# Allegro board 8880F5-0825_4.brd (continued)
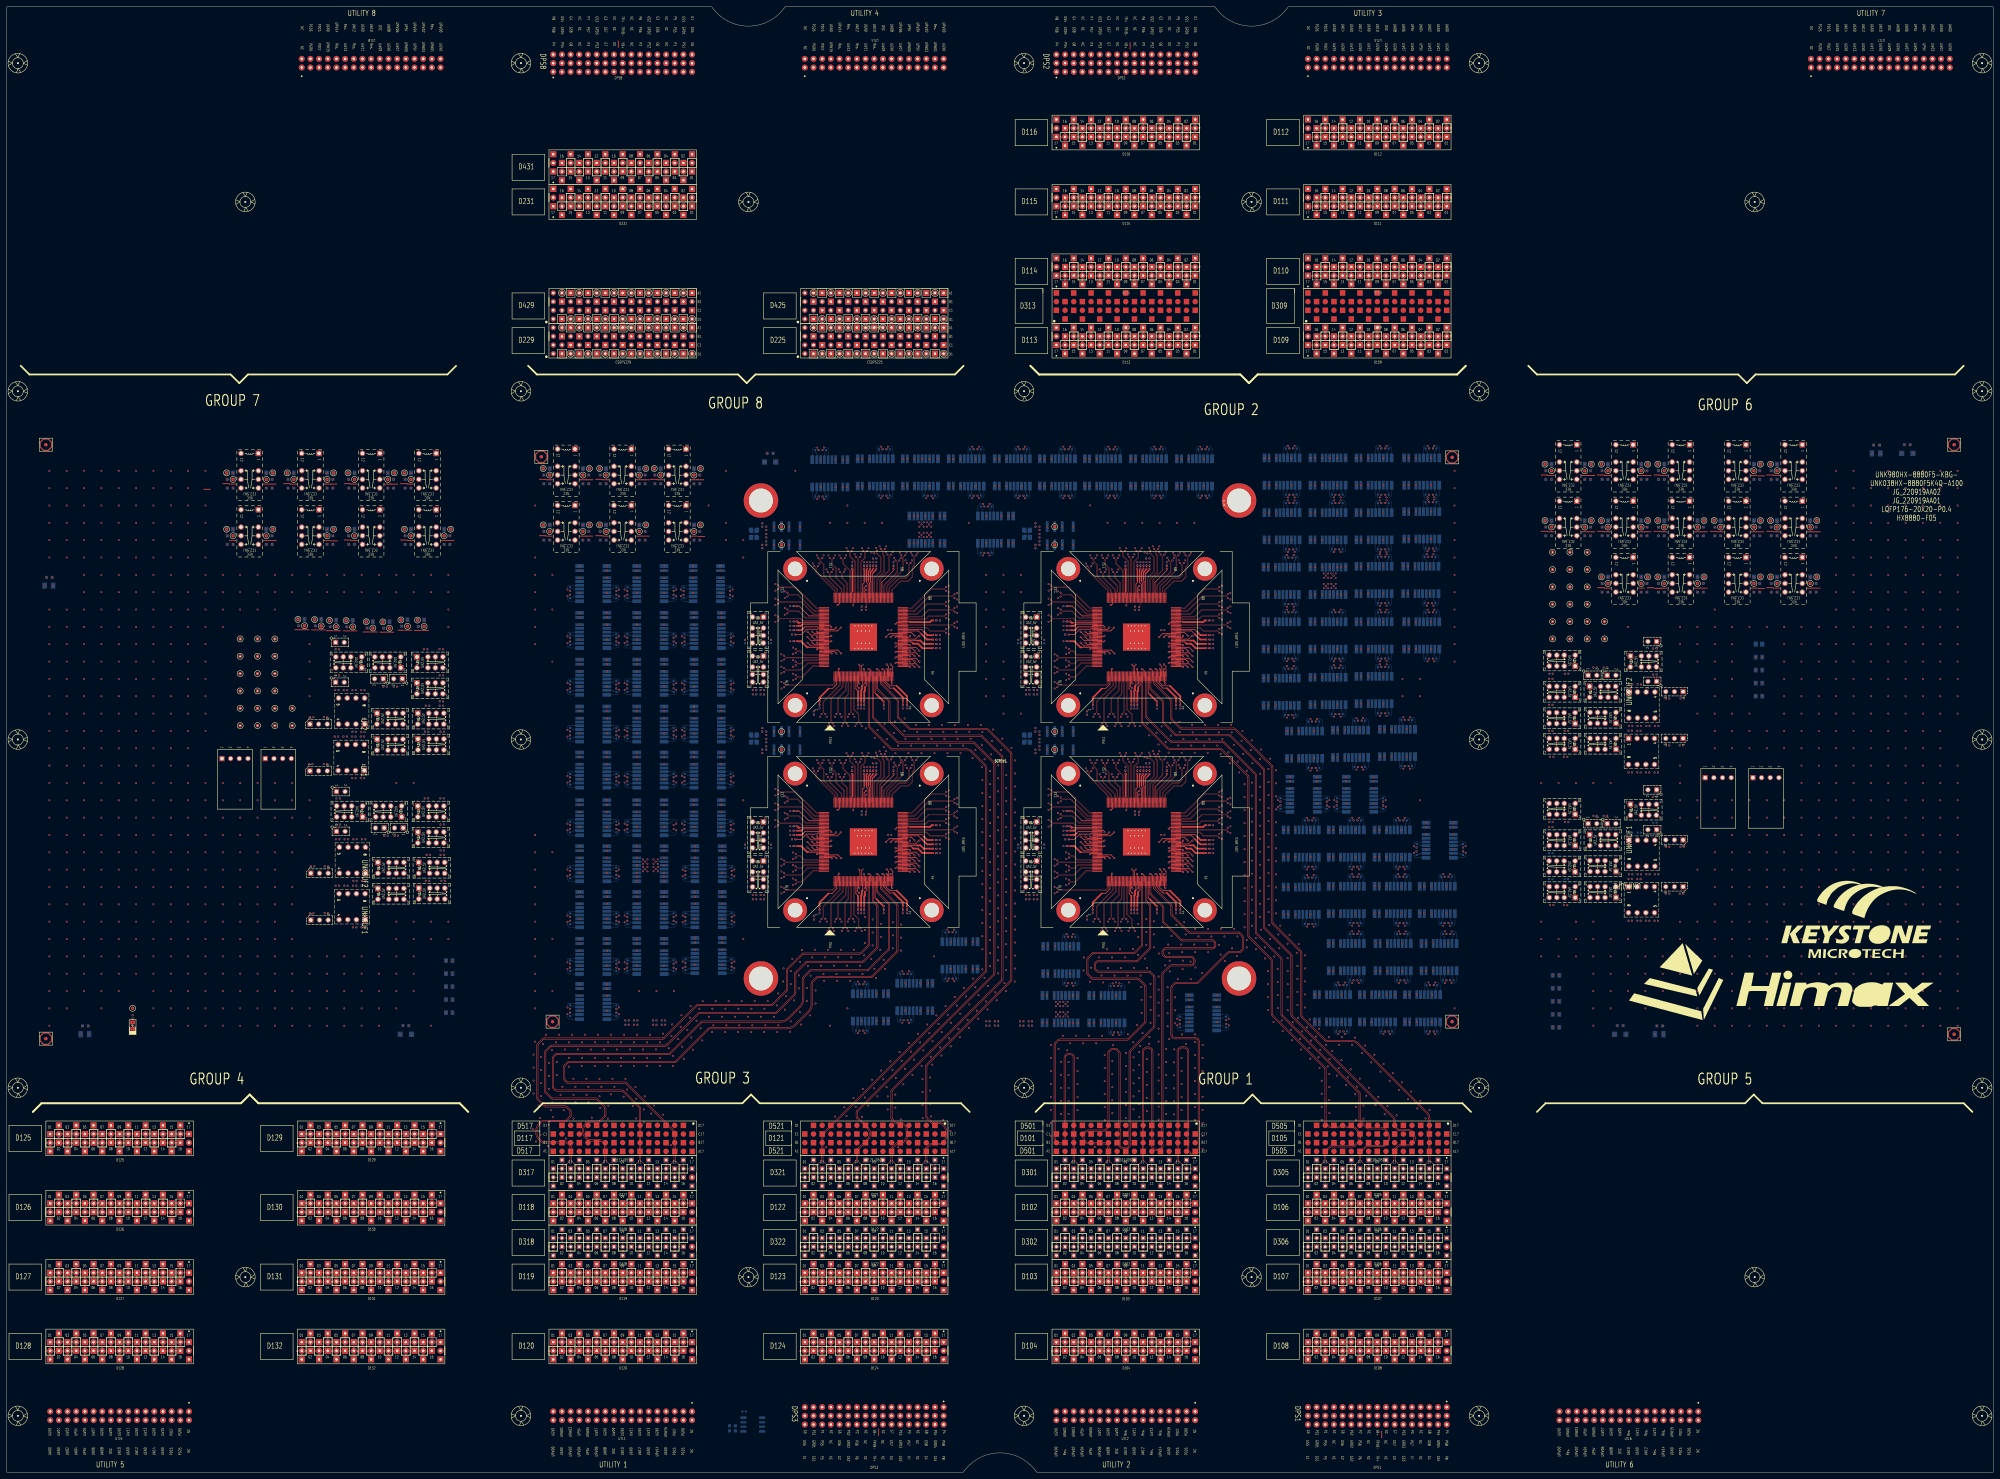
[diagram p0: board, top side]
## Routing (per net, layer and track width the routed paths; a pad name or vN(x,y) marks a point on that pad's centre or on a via; arc(x,y) is an arc through that point) (continued)
  vias: v1(11.42,96.42) v1(11.42,76.1) v1(11.42,55.78) v1(11.42,35.46) v1(12.45,293.34) v1(12.45,288.26) v1(12.45,283.18) v1(12.45,278.1) v1(12.45,273.02) v1(12.45,267.94) v1(12.45,252.7) v1(12.45,247.62) v1(12.45,242.54) v1(12.45,237.46) v1(12.45,232.38) v1(12.45,227.3) v1(12.45,222.22) v1(12.45,217.14) v1(12.45,212.06) v1(12.45,206.98) v1(12.45,201.9) v1(12.45,196.82) v1(12.45,191.74) v1(12.45,186.66) v1(12.45,181.58) v1(12.45,176.5) v1(12.45,171.42) v1(12.45,166.34) v1(12.45,161.26) v1(12.45,156.18) v1(12.45,151.1) v1(12.45,146.02) v1(12.45,140.94) v1(12.45,135.86) v1(12.45,130.78) v1(12.69,97.69) v1(12.69,95.15) v1(12.69,77.37) v1(12.69,74.83) v1(12.69,57.05) v1(12.69,54.51) v1(12.69,36.73) v1(12.69,34.19) v1(13.98,99.16) v1(13.96,96.42) v1(13.98,78.84) v1(13.96,76.1) v1(13.98,58.52) v1(13.96,55.78) v1(13.98,38.2) v1(13.96,35.46) v1(15.25,100.43) v1(15.25,97.89) v1(15.25,80.11) v1(15.25,77.57) v1(15.25,59.79) v1(15.25,57.25) v1(15.25,39.47) v1(15.25,36.93) v1(16.52,99.16) v1(16.5,96.42) v1(16.52,78.84) v1(16.5,76.1) v1(16.52,58.52) v1(16.5,55.78) v1(16.52,38.2) v1(16.5,35.46) v1(17.53,293.34) v1(17.53,288.26) v1(17.53,283.18) v1(17.53,278.1) v1(17.53,273.02) v1(17.53,267.94) v1(17.53,252.7) v1(17.53,247.62) v1(17.53,242.54) v1(17.53,237.46) v1(17.53,232.38) v1(17.53,227.3) v1(17.53,222.22) v1(17.53,217.14) v1(17.53,212.06) v1(17.53,206.98) v1(17.53,201.9) v1(17.53,196.82) v1(17.53,191.74) v1(17.53,186.66) v1(17.53,181.58) v1(17.53,176.5) v1(17.53,171.42) v1(17.53,166.34) v1(17.53,161.26) v1(17.53,156.18) v1(17.53,151.1) v1(17.53,146.02) v1(17.53,140.94) v1(17.53,135.86) v1(17.77,97.69) v1(17.77,95.15) v1(17.77,77.37) v1(17.77,74.83) v1(17.77,57.05) v1(17.77,54.51) v1(17.77,36.73) v1(17.77,34.19) v1(19.06,99.16) v1(19.04,96.42) v1(19.06,78.84) v1(19.04,76.1) v1(19.06,58.52) v1(19.04,55.78) v1(19.06,38.2) v1(19.04,35.46) v1(20.33,100.43) v1(20.33,97.89) v1(20.33,80.11) v1(20.33,77.57) v1(20.33,59.79) v1(20.33,57.25) v1(20.33,39.47) v1(20.33,36.93) v1(21.6,99.16) v1(21.58,96.42) v1(21.6,78.84) v1(21.58,76.1) v1(21.6,58.52) v1(21.58,55.78) v1(21.6,38.2) v1(21.58,35.46) v1(22.61,293.34) v1(22.61,288.26) v1(22.61,283.18) v1(22.61,278.1) v1(22.61,273.02) v1(22.61,267.94) v1(22.61,262.86) v1(22.61,257.78) v1(22.61,252.7) v1(22.61,247.62) v1(22.61,242.54) v1(22.61,237.46) v1(22.61,232.38) v1(22.61,227.3) v1(22.61,222.22) v1(22.61,217.14) v1(22.61,212.06) v1(22.61,206.98) v1(22.61,201.9) v1(22.61,196.82) v1(22.61,191.74) v1(22.61,186.66) v1(22.61,181.58) v1(22.61,176.5) v1(22.61,171.42) v1(22.61,166.34) v1(22.61,161.26) v1(22.61,156.18) v1(22.61,151.1) v1(22.61,146.02) v1(22.61,140.94) v1(22.85,97.69) v1(22.85,95.15) v1(22.85,77.37) v1(22.85,74.83) v1(22.85,57.05) v1(22.85,54.51) v1(22.85,36.73) v1(22.85,34.19) v1(24.14,99.16) v1(24.12,96.42) v1(24.14,78.84) v1(24.12,76.1) v1(24.14,58.52) v1(24.12,55.78) v1(24.14,38.2) v1(24.12,35.46) v1(25.41,100.43) v1(25.41,97.89) v1(25.41,80.11) v1(25.41,77.57) v1(25.41,59.79) v1(25.41,57.25) v1(25.41,39.47) v1(25.41,36.93) v1(26.68,99.16) v1(26.66,96.42) v1(26.68,78.84) v1(26.66,76.1) v1(26.68,58.52) v1(26.66,55.78) v1(26.68,38.2) v1(26.66,35.46) v1(27.69,293.34) v1(27.69,288.26) v1(27.69,283.18) v1(27.69,278.1) v1(27.69,273.02) v1(27.69,267.94) v1(27.69,262.86) v1(27.69,257.78) v1(27.69,252.7) v1(27.69,247.62) v1(27.69,242.54) v1(27.69,237.46) v1(27.69,232.38) v1(27.69,227.3) v1(27.69,222.22) v1(27.69,217.14) v1(27.69,212.06) v1(27.69,206.98) v1(27.69,201.9) v1(27.69,196.82) v1(27.69,191.74) v1(27.69,186.66) v1(27.69,181.58) v1(27.69,176.5) v1(27.69,171.42) v1(27.69,166.34) v1(27.69,161.26) v1(27.69,156.18) v1(27.69,151.1) v1(27.69,146.02) v1(27.69,140.94) v1(27.69,135.86) v1(27.93,97.69) v1(27.93,95.15) v1(27.93,77.37) v1(27.93,74.83) v1(27.93,57.05) v1(27.93,54.51) v1(27.93,36.73) v1(27.93,34.19) v1(29.22,99.16) v1(29.2,96.42) v1(29.22,78.84) v1(29.2,76.1) v1(29.22,58.52) v1(29.2,55.78) v1(29.22,38.2) v1(29.2,35.46) v1(30.49,100.43) v1(30.49,97.89) v1(30.49,80.11) v1(30.49,77.57) v1(30.49,59.79) v1(30.49,57.25) v1(30.49,39.47) v1(30.49,36.93) v1(31.76,99.16) v1(31.74,96.42) v1(31.76,78.84) v1(31.74,76.1) v1(31.76,58.52) v1(31.74,55.78) v1(31.76,38.2) v1(31.74,35.46) v1(32.77,293.34) v1(32.77,288.26) v1(32.77,283.18) v1(32.77,278.1) v1(32.77,273.02) v1(32.77,267.94) v1(32.77,262.86) v1(32.77,257.78) v1(32.77,252.7) v1(32.77,247.62) v1(32.77,242.54) v1(32.77,237.46) v1(32.77,232.38) v1(32.77,227.3) v1(32.77,222.22) v1(32.77,217.14) v1(32.77,212.06) v1(32.77,206.98) v1(32.77,201.9) v1(32.77,196.82) v1(32.77,191.74) v1(32.77,186.66) v1(32.77,181.58) v1(32.77,176.5) v1(32.77,171.42) v1(32.77,166.34) v1(32.77,161.26) v1(32.77,156.18) v1(32.77,151.1) v1(32.77,146.02) v1(32.77,140.94) v1(33.01,97.69) v1(33.01,95.15) v1(33.01,77.37) v1(33.01,74.83) v1(33.01,57.05) v1(33.01,54.51) v1(33.01,36.73) v1(33.01,34.19) v1(34.3,99.16) v1(34.28,96.42) v1(34.3,78.84) v1(34.28,76.1) v1(34.3,58.52) v1(34.28,55.78) v1(34.3,38.2) v1(34.28,35.46) v1(35.57,100.43) v1(35.57,97.89) v1(35.57,80.11) v1(35.57,77.57) v1(35.57,59.79) v1(35.57,57.25) v1(35.57,39.47) v1(35.57,36.93) v1(36.84,99.16) v1(36.82,96.42) v1(36.84,78.84) v1(36.82,76.1) v1(36.84,58.52) v1(36.82,55.78) v1(36.84,38.2) v1(36.82,35.46) v1(37.85,293.34) v1(37.85,288.26) v1(37.85,283.18) v1(37.85,278.1) v1(37.85,273.02) v1(37.85,267.94) v1(37.85,262.86) v1(37.85,257.78) v1(37.85,252.7) v1(37.85,247.62) v1(37.85,242.54) v1(37.85,237.46) v1(37.85,232.38) v1(37.85,227.3) v1(37.85,222.22) v1(37.85,217.14) v1(37.85,212.06) v1(37.85,206.98) v1(37.85,201.9) v1(37.85,196.82) v1(37.85,191.74) v1(37.85,186.66) v1(37.85,181.58) v1(37.85,176.5) v1(37.85,171.42) v1(37.85,166.34) v1(37.85,161.26) v1(37.85,156.18) v1(37.85,151.1) v1(37.85,146.02) v1(38.09,97.69) v1(38.09,95.15) v1(38.09,77.37) v1(38.09,74.83) v1(38.09,57.05) v1(38.09,54.51) v1(38.09,36.73) v1(38.09,34.19) v1(39.38,99.16) v1(39.36,96.42) v1(39.38,78.84) v1(39.36,76.1) v1(39.38,58.52) v1(39.36,55.78) v1(39.38,38.2) v1(39.36,35.46) v1(40.65,100.43) v1(40.65,97.89) v1(40.65,80.11) v1(40.65,77.57) v1(40.65,59.79) v1(40.65,57.25) v1(40.65,39.47) v1(40.65,36.93) v1(41.92,99.16) v1(41.9,96.42) v1(41.92,78.84) v1(41.9,76.1) v1(41.92,58.52) v1(41.9,55.78) v1(41.92,38.2) v1(41.9,35.46) v1(42.93,293.34) v1(42.93,288.26) v1(42.93,283.18) v1(42.93,278.1) v1(42.93,273.02) v1(42.93,267.94) v1(42.93,262.86) v1(42.93,257.78) v1(42.93,252.7) v1(42.93,247.62) v1(42.93,242.54) v1(42.93,237.46) v1(42.93,232.38) v1(42.93,227.3) v1(42.93,222.22) v1(42.93,217.14) v1(42.93,212.06) v1(42.93,206.98) v1(42.93,201.9) v1(42.93,196.82) v1(42.93,191.74) v1(42.93,186.66) v1(42.93,181.58) v1(42.93,176.5) v1(42.93,171.42) v1(42.93,166.34) v1(42.93,161.26) v1(42.93,156.18) v1(42.93,151.1) v1(42.93,146.02) v1(42.93,140.94) v1(42.93,135.86) v1(42.93,130.78) v1(43.17,97.69) v1(43.17,95.15) v1(43.17,77.37) v1(43.17,74.83) v1(43.17,57.05) v1(43.17,54.51) v1(43.17,36.73) v1(43.17,34.19) v1(44.46,99.16) v1(44.44,96.42) v1(44.46,78.84) v1(44.44,76.1) v1(44.46,58.52) v1(44.44,55.78) v1(44.46,38.2) v1(44.44,35.46) v1(45.73,100.43) v1(45.73,97.89) v1(45.73,80.11) v1(45.73,77.57) v1(45.73,59.79) v1(45.73,57.25) v1(45.73,39.47) v1(45.73,36.93) v1(47,99.16) v1(46.98,96.42) v1(47,78.84) v1(46.98,76.1) v1(47,58.52) v1(46.98,55.78) v1(47,38.2) v1(46.98,35.46) v1(48.01,293.34) v1(48.01,288.26) v1(48.01,283.18) v1(48.01,278.1) v1(48.01,273.02) v1(48.01,267.94) v1(48.01,262.86) v1(48.01,257.78) v1(48.01,252.7) v1(48.01,247.62) v1(48.01,242.54) v1(48.01,237.46) v1(48.01,232.38) v1(48.01,227.3) v1(48.01,222.22) v1(48.01,217.14) v1(48.01,212.06) v1(48.01,206.98) v1(48.01,201.9) v1(48.01,196.82) v1(48.01,191.74) v1(48.01,186.66) v1(48.01,181.58) v1(48.01,176.5) v1(48.01,171.42) v1(48.01,166.34) v1(48.01,161.26) v1(48.01,156.18) v1(48.01,151.1) v1(48.01,146.02) v1(48.01,140.94) v1(48.01,135.86) v1(48.01,130.78) v1(48.25,97.69) v1(48.25,95.15) v1(48.25,77.37) v1(48.25,74.83) v1(48.25,57.05) v1(48.25,54.51) v1(48.25,36.73) v1(48.25,34.19) v1(49.54,99.16) v1(49.52,96.42) v1(49.54,78.84) v1(49.52,76.1) v1(49.54,58.52) v1(49.52,55.78) v1(49.54,38.2) v1(49.52,35.46) v1(50.81,100.43) v1(50.81,97.89) v1(50.81,80.11) v1(50.81,77.57) v1(50.81,59.79) v1(50.81,57.25) v1(50.81,39.47) v1(50.81,36.93) v1(52.08,99.16) v1(52.08,78.84) v1(52.08,58.52) v1(52.08,38.2) v1(53.09,293.34) v1(53.09,288.26) v1(53.09,283.18) v1(53.09,278.1) v1(53.09,273.02) v1(53.09,267.94) v1(53.09,262.86) v1(53.09,257.78) v1(53.09,252.7) v1(53.09,247.62) v1(53.09,242.54) v1(53.09,237.46) v1(53.09,232.38) v1(53.09,227.3) v1(53.09,222.22) v1(53.09,217.14) v1(53.09,212.06) v1(53.09,206.98) v1(53.09,201.9) v1(53.09,196.82) v1(53.09,191.74) v1(53.09,186.66) v1(53.09,181.58) v1(53.09,176.5) v1(53.09,171.42) v1(53.09,166.34) v1(53.09,161.26) v1(53.09,156.18) v1(53.09,151.1) v1(53.09,146.02) v1(53.09,140.94) v1(53.09,135.86) v1(53.09,130.78) v1(58.17,293.34) v1(58.17,283.18) v1(58.17,278.1) v1(58.17,273.02) v1(58.17,267.94) v1(58.17,262.86) v1(58.17,257.78) v1(58.17,252.7) v1(58.17,247.62) v1(58.17,242.54) v1(58.17,237.46) v1(58.17,232.38) v1(58.17,227.3) v1(58.17,222.22) v1(58.17,217.14) v1(58.17,201.9) v1(58.17,196.82) v1(58.17,191.74) v1(58.17,186.66) v1(58.17,181.58) v1(58.17,176.5) v1(58.17,171.42) v1(58.17,166.34) v1(58.17,161.26) v1(58.17,156.18) v1(58.17,151.1) v1(58.17,146.02) v1(58.17,140.94) v1(58.17,135.86) v1(58.17,130.78) v1(63.25,262.86) v1(63.25,257.78) v1(63.25,252.7) v1(63.25,247.62) v1(63.25,201.9) v1(63.25,196.82) v1(63.25,191.74) v1(63.25,186.66) v1(63.25,181.58) v1(63.25,176.5) v1(63.25,171.42) v1(63.25,166.34) v1(63.25,161.26) v1(63.25,156.18) v1(63.25,151.1) v1(63.25,146.02) v1(63.25,140.94) v1(63.25,135.86) v1(63.25,130.78) v1(64.35,292.74) v1(64.35,276.23) v1(64.56,290.83) v1(64.56,288.29) v1(64.56,274.32) v1(64.56,271.78) v1(68.33,262.86) v1(68.33,257.78) v1(68.33,252.7) v1(68.33,201.9) v1(68.33,196.82) v1(68.33,191.74) v1(68.33,186.66) v1(68.33,181.58) v1(68.33,176.5) v1(68.33,171.42) v1(68.33,166.34) v1(68.33,161.26) v1(68.33,156.18) v1(68.33,151.1) v1(68.33,146.02) v1(68.33,140.94) v1(68.33,135.86) v1(68.33,130.78) v1(73.41,262.86) v1(73.41,257.78) v1(73.41,252.7) v1(73.41,201.9) v1(73.41,196.82) v1(73.41,191.74) v1(73.41,186.66) v1(73.41,181.58) v1(73.41,176.5) v1(73.41,171.42) v1(73.41,166.34) v1(73.41,161.26) v1(73.41,156.18) v1(73.41,151.1) v1(73.41,146.02) v1(73.41,140.94) v1(73.41,135.86) v1(73.41,130.78) v1(77.68,290.83) v1(77.68,288.29) v1(77.68,274.32) v1(77.68,271.78) v1(77.89,292.74) v1(77.89,276.23) v1(78.49,262.86) v1(78.49,257.78) v1(78.49,252.7) v1(78.49,201.9) v1(78.49,196.82) v1(78.49,191.74) v1(78.49,186.66) v1(78.49,181.58) v1(78.49,176.5) v1(78.49,171.42) v1(78.49,166.34) v1(78.49,161.26) v1(78.49,156.18) v1(78.49,151.1) v1(78.49,146.02) v1(78.49,140.94) v1(78.49,135.86) v1(78.49,130.78) v1(82.13,292.74) v1(82.34,290.83) v1(82.34,288.29) v1(83.57,262.86) v1(83.57,257.78) v1(83.57,201.9) v1(83.57,196.82) v1(83.57,191.74) v1(83.57,186.66) v1(83.57,181.58) v1(83.57,171.42) v1(83.57,166.34) v1(83.57,156.18) v1(83.57,151.1) v1(83.57,146.02) v1(83.57,140.94) v1(83.57,135.86) v1(83.57,130.78) v1(85.08,96.42) v1(85.08,76.1) v1(85.08,55.78) v1(85.08,35.46) v1(85.24,249.81) v1(85.47,247.96) v1(86.35,97.69) v1(86.35,95.15) v1(86.35,77.37) v1(86.35,74.83) v1(86.35,57.05) v1(86.35,54.51) v1(86.35,36.73) v1(86.35,34.19) v1(87.64,99.16) v1(87.62,96.42) v1(87.64,78.84) v1(87.62,76.1) v1(87.64,58.52) v1(87.62,55.78) v1(87.64,38.2) v1(87.62,35.46) v1(88.65,262.86) v1(88.65,257.78) v1(88.65,242.54) v1(88.65,237.46) v1(88.65,232.38) v1(88.65,227.3) v1(88.65,196.82) v1(88.65,191.74) v1(88.65,186.66) v1(88.65,151.1) v1(88.65,146.02) v1(88.65,140.94) v1(88.65,135.86) v1(88.65,130.78) v1(88.91,100.43) v1(88.91,97.89) v1(88.91,80.11) v1(88.91,77.57) v1(88.91,59.79) v1(88.91,57.25) v1(88.91,39.47) v1(88.91,36.93) v1(90.11,249.76) v1(90.18,99.16) v1(90.16,96.42) v1(90.18,78.84) v1(90.16,76.1) v1(90.18,58.52) v1(90.16,55.78) v1(90.18,38.2) v1(90.16,35.46) v1(90.34,247.9) v1(91.43,97.69) v1(91.43,95.15) v1(91.43,77.37) v1(91.43,74.83) v1(91.43,57.05) v1(91.43,54.51) v1(91.43,36.73) v1(91.43,34.19) v1(92.72,99.16) v1(92.7,96.42) v1(92.72,78.84) v1(92.7,76.1) v1(92.72,58.52) v1(92.7,55.78) v1(92.72,38.2) v1(92.7,35.46) v1(92.83,221.18) v1(92.83,207.46) v1(93.09,177.49) v1(93.09,163.77) v1(93.73,262.86) v1(93.73,257.78) v1(93.73,151.1) v1(93.73,146.02) v1(93.73,140.94) v1(93.73,135.86) v1(93.73,130.78) v1(93.99,100.43) v1(93.99,97.89) v1(93.99,80.11) v1(93.99,77.57) v1(93.99,59.79) v1(93.99,57.25) v1(93.99,39.47) v1(93.99,36.93) v1(94.49,249.52) v1(94.72,247.66) v1(95.26,99.16) v1(95.24,96.42) v1(95.26,78.84) v1(95.24,76.1) v1(95.26,58.52) v1(95.24,55.78) v1(95.26,38.2) v1(95.24,35.46) v1(95.46,290.83) v1(95.46,288.29) v1(95.46,274.32) v1(95.46,271.78) v1(95.67,292.74) v1(95.67,276.23) v1(96.51,97.69) v1(96.51,95.15) v1(96.51,77.37) v1(96.51,74.83) v1(96.51,57.05) v1(96.51,54.51) v1(96.51,36.73) v1(96.51,34.19) v1(97.8,99.16) v1(97.78,96.42) v1(97.8,78.84) v1(97.78,76.1) v1(97.8,58.52) v1(97.78,55.78) v1(97.8,38.2) v1(97.78,35.46) v1(98.81,262.86) v1(98.81,257.78) v1(98.81,151.1) v1(98.81,146.02) v1(98.81,140.94) v1(98.81,135.86) v1(98.81,130.78) v1(99.07,100.43) v1(99.07,97.89) v1(99.07,80.11) v1(99.07,77.57) v1(99.07,59.79) v1(99.07,57.25) v1(99.07,39.47) v1(99.07,36.93) v1(99.36,249.46) v1(99.59,247.61) v1(99.91,292.74) v1(99.91,276.23) v1(100.12,290.83) v1(100.12,288.29) v1(100.12,274.32) v1(100.12,271.78) v1(100.34,99.16) v1(100.32,96.42) v1(100.34,78.84) v1(100.32,76.1) v1(100.34,58.52) v1(100.32,55.78) v1(100.34,38.2) v1(100.32,35.46) v1(101.59,97.69) v1(101.59,95.15) v1(101.59,77.37) v1(101.59,74.83) v1(101.59,57.05) v1(101.59,54.51) v1(101.59,36.73) v1(101.59,34.19) v1(102.88,99.16) v1(102.86,96.42) v1(102.88,78.84) v1(102.86,76.1) v1(102.88,58.52) v1(102.86,55.78) v1(102.88,38.2) v1(102.86,35.46) v1(103.64,215.5) v1(103.74,229.1) v1(103.89,262.86) v1(103.89,257.78) v1(103.89,171.81) v1(103.89,151.1) v1(103.89,146.02) v1(103.89,140.94) v1(103.89,135.86) v1(103.89,130.78) v1(103.99,185.42) v1(104.15,100.43) v1(104.15,97.89) v1(104.15,80.11) v1(104.15,77.57) v1(104.15,59.79) v1(104.15,57.25) v1(104.15,39.47) v1(104.15,36.93) v1(105.28,249.19) v1(105.42,99.16) v1(105.4,96.42) v1(105.42,78.84) v1(105.4,76.1) v1(105.42,58.52) v1(105.4,55.78) v1(105.42,38.2) v1(105.4,35.46) v1(105.48,247.28) v1(106.67,97.69) v1(106.67,95.15) v1(106.67,77.37) v1(106.67,74.83) v1(106.67,57.05) v1(106.67,54.51) v1(106.67,36.73) v1(106.67,34.19) v1(107.96,99.16) v1(107.94,96.42) v1(107.96,78.84) v1(107.94,76.1) v1(107.96,58.52) v1(107.94,55.78) v1(107.96,38.2) v1(107.94,35.46) v1(108.97,262.86) v1(108.97,257.78) v1(108.97,151.1) v1(108.97,146.02) v1(108.97,140.94) v1(108.97,135.86) v1(108.97,130.78) v1(109.23,100.43) v1(109.23,97.89) v1(109.23,80.11) v1(109.23,77.57) v1(109.23,59.79) v1(109.23,57.25) v1(109.23,39.47) v1(109.23,36.93) v1(110.15,249.13) v1(110.35,247.23) v1(110.5,99.16) v1(110.48,96.42) v1(110.5,78.84) v1(110.48,76.1) v1(110.5,58.52) v1(110.48,55.78) v1(110.5,38.2) v1(110.48,35.46) v1(111.24,230.12) v1(111.5,186.44) v1(111.75,97.69) v1(111.75,95.15) v1(111.75,77.37) v1(111.75,74.83) v1(111.75,57.05) v1(111.75,54.51) v1(111.75,36.73) v1(111.75,34.19) v1(113.04,99.16) v1(113.02,96.42) v1(113.04,78.84) v1(113.02,76.1) v1(113.04,58.52) v1(113.02,55.78) v1(113.04,38.2) v1(113.02,35.46) v1(113.24,290.83) v1(113.24,288.29) v1(113.45,292.74) v1(114.05,262.86) v1(114.05,257.78) v1(114.05,201.9) v1(114.05,161.26) v1(114.05,156.18) v1(114.05,151.1) v1(114.05,146.02) v1(114.05,140.94) v1(114.05,135.86) v1(114.31,100.43) v1(114.31,97.89) v1(114.31,80.11) v1(114.31,77.57) v1(114.31,59.79) v1(114.31,57.25) v1(114.31,39.47) v1(114.31,36.93) v1(115.4,249.66) v1(115.58,99.16) v1(115.56,96.42) v1(115.58,78.84) v1(115.56,76.1) v1(115.58,58.52) v1(115.56,55.78) v1(115.58,38.2) v1(115.56,35.46) v1(115.63,247.8) v1(116.42,292.74) v1(116.42,276.23) v1(116.63,290.83) v1(116.63,288.29) v1(116.63,274.32) v1(116.63,271.78) v1(116.83,97.69) v1(116.83,95.15) v1(116.83,77.37) v1(116.83,74.83) v1(116.83,57.05) v1(116.83,54.51) v1(116.83,36.73) v1(116.83,34.19) v1(118.12,99.16) v1(118.1,96.42) v1(118.12,78.84) v1(118.1,76.1) v1(118.12,58.52) v1(118.1,55.78) v1(118.12,38.2) v1(118.1,35.46) v1(119.13,262.86) v1(119.13,257.78) v1(119.13,201.9) v1(119.13,161.26) v1(119.13,156.18) v1(119.13,151.1) v1(119.13,146.02) v1(119.13,140.94) v1(119.39,100.43) v1(119.39,97.89) v1(119.39,80.11) v1(119.39,77.57) v1(119.39,59.79) v1(119.39,57.25) v1(119.39,39.47) v1(119.39,36.93) v1(120.26,249.61) v1(120.49,247.75) v1(120.66,99.16) v1(120.64,96.42) v1(120.66,78.84) v1(120.64,76.1) v1(120.66,58.52) v1(120.64,55.78) v1(120.66,38.2) v1(120.64,35.46) v1(121.91,97.69) v1(121.91,95.15) v1(121.91,77.37) v1(121.91,74.83) v1(121.91,57.05) v1(121.91,54.51) v1(121.91,36.73) v1(121.91,34.19) v1(123.2,99.16) v1(123.18,96.42) v1(123.2,78.84) v1(123.18,76.1) v1(123.2,58.52) v1(123.18,55.78) v1(123.2,38.2) v1(123.18,35.46) v1(124.21,262.86) v1(124.21,257.78) v1(124.21,161.26) v1(124.21,156.18) v1(124.21,130.78) v1(124.47,100.43) v1(124.47,97.89) v1(124.47,80.11) v1(124.47,77.57) v1(124.47,59.79) v1(124.47,57.25) v1(124.47,39.47) v1(124.47,36.93) v1(125.74,99.16) v1(125.74,78.84) v1(125.74,58.52) v1(125.74,38.2) v1(126.7,241.1) v1(126.95,197.41) v1(128.57,142.24) v1(129.29,262.86) v1(129.29,257.78) v1(129.29,252.7) v1(129.29,247.62) v1(129.29,161.26) v1(129.29,156.18) v1(129.75,274.32) v1(129.75,271.78) v1(129.96,276.23) v1(130.51,149.86) v1(130.51,146.05) v1(130.51,138.43) v1(130.51,134.62) v1(153.98,100.56) v1(154.24,122.34) v1(154.24,118.53) v1(154.24,114.72) v1(154.24,110.91) v1(154.64,126.13) v1(154.69,283.18) v1(154.69,267.94) v1(154.69,262.86) v1(154.69,257.78) v1(154.69,252.7) v1(154.69,247.62) v1(154.69,242.54) v1(154.69,186.66) v1(154.69,181.58) v1(154.69,176.5) v1(154.69,171.42) v1(154.69,166.34) v1(154.69,161.26) v1(154.69,156.18) v1(154.69,151.1) v1(154.69,146.02) v1(154.69,140.94) v1(154.69,135.86) v1(154.95,96.87) v1(155.74,107.41) v1(156.07,103.75) v1(156.28,98.9) v1(156.46,121.61) v1(156.46,117.8) v1(156.46,113.99) v1(156.46,110.18) v1(157.06,294) v1(157.06,277.5) v1(157.03,125.37) v1(157.27,292.1) v1(157.27,289.56) v1(157.27,275.59) v1(157.27,273.05) v1(157.87,128.15) v1(158.51,95.5) v1(158.76,119.92) v1(158.76,116.11) v1(158.76,112.3) v1(158.78,101.78) v1(158.74,76.1) v1(158.74,55.78) v1(158.74,35.46) v1(158.81,86.36) v1(158.81,66.04) v1(159.29,106.02) v1(159.61,123.63) v1(159.77,262.86) v1(159.77,252.7) v1(159.77,237.46) v1(159.77,181.58) v1(159.77,156.18) v1(159.77,140.94) v1(159.75,108.25) v1(159.87,104) v1(160.02,87.57) v1(160.02,85.15) v1(160.01,77.37) v1(160.01,74.83) v1(160.02,67.25) v1(160.02,64.83) v1(160.01,57.05) v1(160.01,54.51) v1(160.01,36.73) v1(160.01,34.19) v1(160.8,125.92) v1(161.03,120.15) v1(161.03,116.34) v1(161.23,86.36) v1(161.23,66.04) v1(161.35,88.9) v1(161.3,78.84) v1(161.28,76.1) v1(161.35,68.58) v1(161.3,58.52) v1(161.28,55.78) v1(161.3,38.2) v1(161.28,35.46) v1(161.68,128.15) v1(162.14,110.55) v1(162.56,90.11) v1(162.56,87.69) v1(162.57,80.11) v1(162.57,77.57) v1(162.56,69.79) v1(162.56,67.37) v1(162.57,59.79) v1(162.57,57.25) v1(162.57,39.47) v1(162.57,36.93) v1(162.68,112.9) v1(163.1,106.02) v1(163.42,123.83) v1(163.56,108.25) v1(163.72,97.73) v1(163.77,88.9) v1(163.77,68.58) v1(163.84,78.84) v1(163.82,76.1) v1(163.84,58.52) v1(163.82,55.78) v1(163.84,38.2) v1(163.82,35.46) v1(163.89,86.36) v1(163.89,66.04) v1(164.56,118.8) v1(164.61,125.92) v1(164.64,121.37) v1(165.1,87.57) v1(165.1,85.15) v1(165.09,77.37) v1(165.09,74.83) v1(165.1,67.25) v1(165.1,64.83) v1(165.09,57.05) v1(165.09,54.51) v1(165.09,36.73) v1(165.09,34.19) v1(165.49,128.15) v1(165.91,115.24) v1(165.95,110.55) v1(165.94,103.58) v1(166.31,86.36) v1(166.38,78.84) v1(166.36,76.1) v1(166.31,66.04) v1(166.38,58.52) v1(166.36,55.78) v1(166.38,38.2) v1(166.36,35.46) v1(166.43,88.9) v1(166.43,68.58) v1(166.49,112.9) v1(166.51,108.33) v1(167.23,123.83) v1(167.64,90.11) v1(167.64,87.69) v1(167.65,80.11) v1(167.65,77.57) v1(167.64,69.79) v1(167.64,67.37) 